# Altium PCB Power Distribution.PcbDoc (continued)
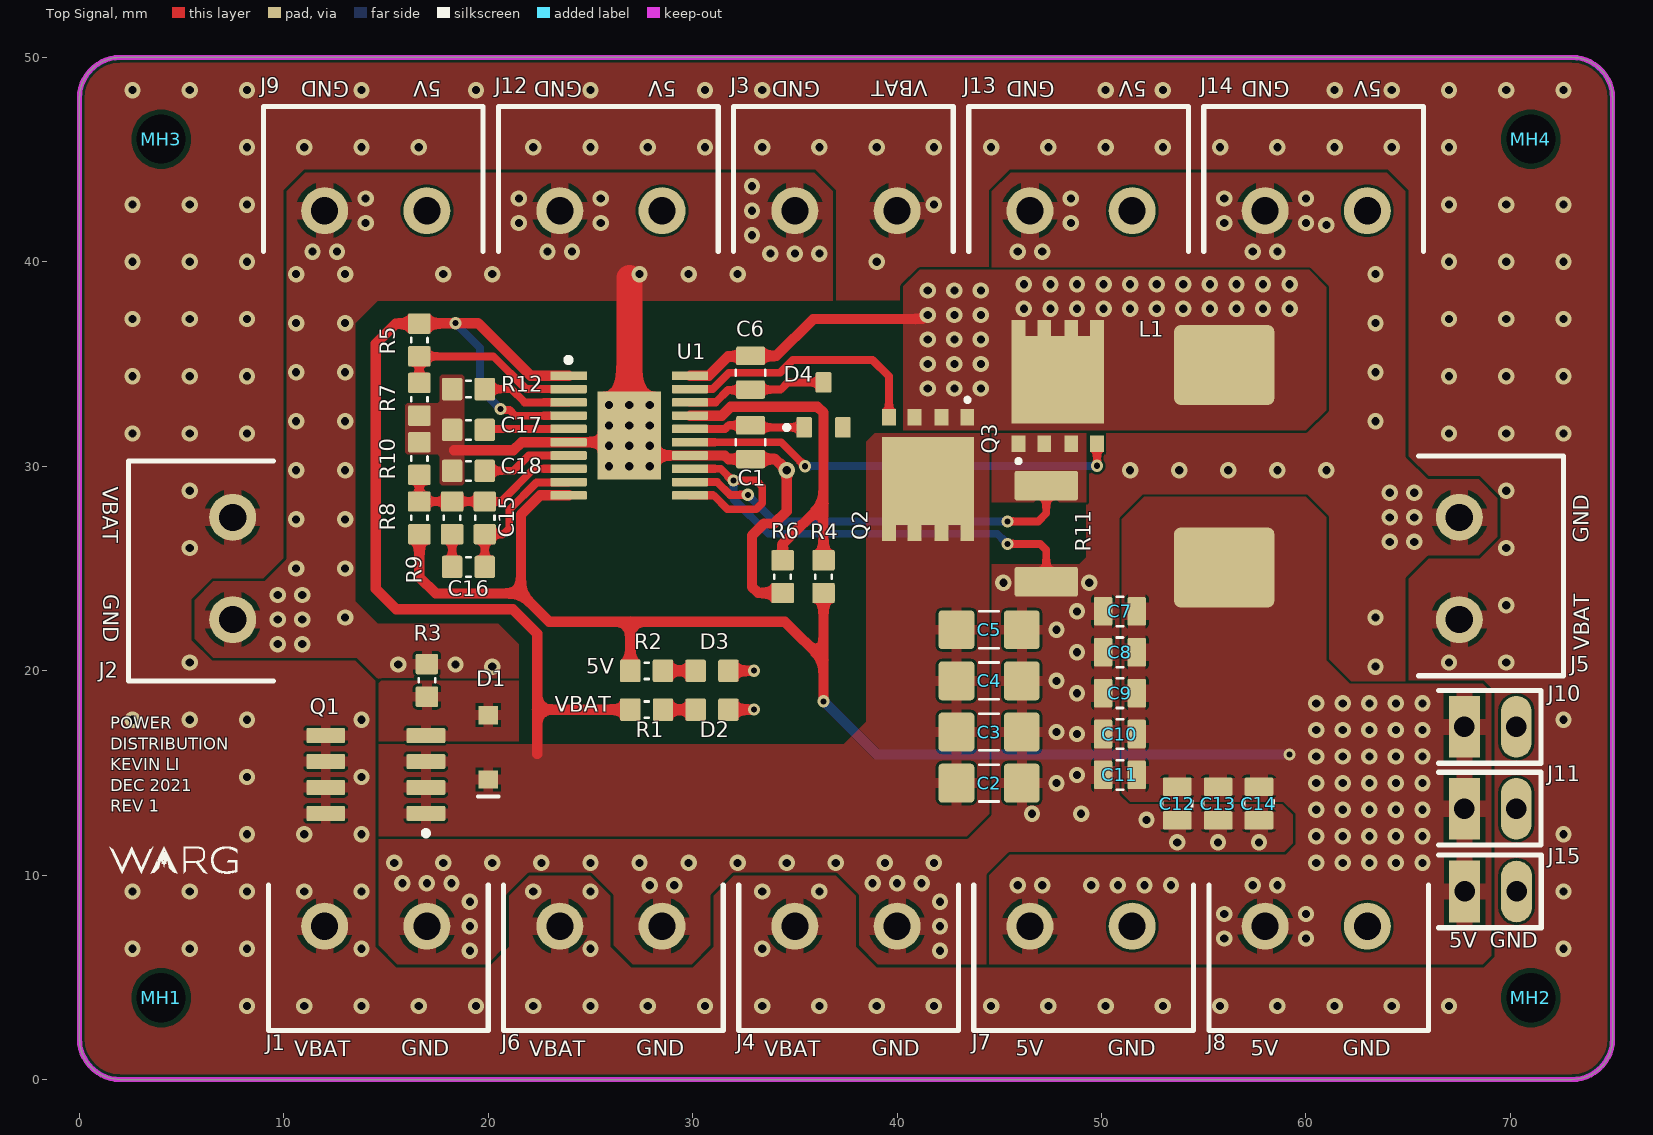
[diagram p0: Top Signal view]
## Components (designator, comment, footprint, x,y, rotation, side; value= is the part's Value field where it differs from the comment)
C1 "CAP_1uF_50V_0805" CAP0805 32.83,31.175 r90 top locked value=1uF
C2 "CAP_10uF_50V_1206" CAP1206 44.5,14.5 r180 top locked value=10uF
C3 "CAP_10uF_50V_1206" CAP1206 44.5,17 r180 top locked value=10uF
C4 "CAP_10uF_50V_1206" CAP1206 44.5,19.5 r180 top locked value=10uF
C5 "CAP_10uF_50V_1206" CAP1206 44.5,22 r180 top locked value=10uF
C6 "CAP_1uF_50V_0805" CAP0805 32.83,34.575 r270 top locked value=1uF
C7 "CAP_22uF_16V_0805" CAP0805 50.9,22.9 r0 top locked value=22uF
C8 "CAP_22uF_16V_0805" CAP0805 50.9,20.9 r0 top locked value=22uF
C9 "CAP_22uF_16V_0805" CAP0805 50.9,18.9 r0 top locked value=22uF
C10 "CAP_22uF_16V_0805" CAP0805 50.9,16.9 r0 top locked value=22uF
C11 "CAP_22uF_16V_0805" CAP0805 50.9,14.9 r0 top locked value=22uF
C12 "CAP_22uF_16V_0805" CAP0805 53.7,13.5 r90 top locked value=22uF
C13 "CAP_22uF_16V_0805" CAP0805 55.7,13.5 r90 top locked value=22uF
C14 "CAP_22uF_16V_0805" CAP0805 57.7,13.5 r90 top locked value=22uF
C15 "CAP_10pF_50V_0603" CAP0603 19.83,27.475 r90 top locked value=10pF
C16 "CAP_470pF_100V_0603" CAP0603 19.03,25.075 r180 top locked value=470pF
C17 "CAP_330pF_100V_0603" CAP0603 19.03,31.775 r0 top locked value=330pF
C18 "CAP_10nF_50V_0603" CAP0603 19.03,29.775 r0 top locked value=10nF
D1 "DIO_ZENER_6.8V" DIO-SOD123 20,16.25 r270 top locked
D2 "LED_GREEN_2.1V_0603" LED0603 30.947,18.092 r0 top locked
D3 "LED_GREEN_2.1V_0603" LED0603 30.947,19.992 r0 top locked
D4 "DIO_200V_200mA" SOT23-3 35.45,31.9 r90 top
J1 "CON_2POS_SCREW_TERM" 1935161 14.5,7.5 r0 top locked
J2 "CON_2POS_SCREW_TERM" 1935161 7.5,25 r270 top locked
J3 "CON_2POS_SCREW_TERM" 1935161 37.5,42.5 r180 top locked
J4 "CON_2POS_SCREW_TERM" 1935161 37.5,7.5 r0 top locked
J5 "CON_2POS_SCREW_TERM" 1935161 67.5,25 r90 top locked
J6 "CON_2POS_SCREW_TERM" 1935161 26,7.5 r0 top locked
J7 "CON_2POS_SCREW_TERM" 1935161 49,7.5 r0 top locked
J8 "CON_2POS_SCREW_TERM" 1935161 60.5,7.5 r0 top locked
J9 "CON_2POS_SCREW_TERM" 1935161 14.5,42.5 r180 top locked
J10 "CON_3X1_2.54MM_MALE_TH_HDR" 0022102021 67.75,17.25 r0 top locked
J11 "CON_3X1_2.54MM_MALE_TH_HDR" 0022102021 67.75,13.25 r0 top locked
J12 "CON_2POS_SCREW_TERM" 1935161 26,42.5 r180 top locked
J13 "CON_2POS_SCREW_TERM" 1935161 49,42.5 r180 top locked
J14 "CON_2POS_SCREW_TERM" 1935161 60.5,42.5 r180 top locked
J15 "CON_3X1_2.54MM_MALE_TH_HDR" 0022102021 67.76,9.2 r0 top
L1 "IND_3.3uH_14.7A" ETQ-P5M3R3YGC 56,30 r270 top locked value=3.3uH
MH1 "Mounting Hole Non-plated Diameter 2.40mm" MHNP_2.40MM 4,4 r0 top
MH2 "Mounting Hole Non-plated Diameter 2.40mm" MHNP_2.40MM 71,4 r0 top
MH3 "Mounting Hole Non-plated Diameter 2.40mm" MHNP_2.40MM 4,46 r0 top
MH4 "Mounting Hole Non-plated Diameter 2.40mm" MHNP_2.40MM 71,46 r0 top
Q1 "PMOS_38V_14A" 8SOIC 14.5,14.9 r180 top locked
Q2 "NMOS_60V_13A" CSD19531Q5A 41.517,29.574 r270 top
Q3 "NMOS_60V_13A" CSD19531Q5A 47.86,33.926 r90 top
R1 "RES_51.1kΩ_0603_1%" RES0603 27.747,18.092 r180 top locked
R2 "RES_5.23kΩ_0603_1%" RES0603 27.747,19.992 r180 top locked
R3 "RES_51.1kΩ_0603_1%" RES0603 17,19.525 r270 top locked
R4 "RES_0Ω_0603" RES0603 36.4,24.6 r270 top locked value=0Ω
R5 "RES_51.1kΩ_0603_1%" RES0603 16.63,36.175 r90 top locked
R6 "RES_0Ω_0603" RES0603 34.4,24.6 r90 top locked value=0Ω
R7 "RES_12.1kΩ_0603_1%" RES0603 16.63,33.275 r90 top locked
R8 "RES_38.3kΩ_0603_1%" RES0603 16.63,27.475 r270 top locked
R9 "RES_66.5kΩ_0603_1%" RES0603 18.23,27.475 r90 top locked value=66.5kΩ
R10 "RES_12.1kΩ_0603_1%" RES0603 16.63,30.375 r270 top locked
R11 "RES_5mΩ_2010_1%" RES2010 47.3,26.7 r90 top locked
R12 "RES_5.23kΩ_0603_1%" RES0603 19.03,33.775 r0 top locked
U1 "LM25116MH/NOPB" LM25116MH/NOPB 23.93,34.425 r0 top locked

## Footprints (in the part's own frame and the unit in brackets; to place one, negate y for a bottom-side part, rotate by r counter-clockwise, add the part's x,y. Pads: shape width x height; smd on the part's side, far side on the other; paste and mask are expansions set on the pad)
8SOIC [mm] "MOSFET P-CH 30V 14A SO-8"
  rrect15% 1.9x0.72 smd: 1(-2.45,1.884) 1(-2.45,-0.656) 1(-2.45,0.614) 2(-2.45,-1.926) 3(2.45,1.884) 3(2.45,-0.656) 3(2.45,0.614) 3(2.45,-1.926)
  silkscreen extent -2.58,2.73 -2.33,2.97, body extent -3,-2.45 3,2.45, height 1.75
1935161 [mm] "TERM BLK 2POS SIDE ENTRY 5MM PCB"
  round 2.3 hole 1.325: 1(-2.5,0) 2(2.5,0)
  silkscreen extent -5.25,-5.1 5.5,2, body extent -5.07,-4.94 5.33,4.06, height 11.41
0022102021 [mm] "2 Pin Male Header"
  rect 1.508x3.016 hole 1: 1(0,0)
  oval 1.508x3.016 hole 1: 2(2.54,0)
  silkscreen extent -1.27,-1.78 3.75,1.78, body extent -1.14,-1.17 3.68,1.17, height 10.5
CAP0603 [mm] "Ceramic Capacitor 0603"
  rrect20% 1x1.1 smd: 1(-0.8,0) 2(0.8,0)
  silkscreen extent -0.1,-0.48 0.1,0.48, body extent -0.87,-0.48 0.88,0.48, height 0.87
CAP0805 [mm] "Ceramic Capacitor 0805"
  rrect15% 0.9x1.4 smd: 1(-0.825,0) 2(0.825,0)
  silkscreen extent -0.15,-0.72 0.15,0.72, body extent -1.1,-0.73 1.1,0.73, height 1.39
CAP1206 [mm] "Ceramic Capacitor 1206"
  rrect20% 1.75x1.9 smd: 1(-1.6,0) 2(1.6,0)
  silkscreen extent -0.48,-0.9 0.48,0.9, body extent -1.7,-0.9 1.7,0.9, height 0.88
CSD19531Q5A [mm]
  rect 4.295x4.51 smd paste-3: 1(0.301,0)
  rect 0.8x0.675 smd paste-1: 1(2.825,1.917) 1(2.825,-0.66) 1(2.825,0.66) 1(2.825,-1.917) 2(-2.826,-1.917) 3(-2.826,1.917) 3(-2.826,-0.66) 3(-2.826,0.66)
  silkscreen extent -3.72,1.88 -3.63,1.97, body extent -3.13,-2.45 3.13,2.45, height 1.16
DIO-SOD123 [mm]
  rect 0.9x0.95 smd: 1(-1.575,0) 2(1.575,0)
  silkscreen extent 2.4,-0.5 2.4,0.5, body extent -1.92,-0.84 1.93,0.86, height 1.46
ETQ-P5M3R3YGC [mm] "Ceramic Capacitor 1206"
  rrect15% 3.9x4.9 smd: 1(-4.95,0) 2(4.95,0)
  body extent -5.4,-5 5.4,5, height 5.01
LED0603 [mm] "Generic LED in 0603 package"
  rrect20% 1x1.1 smd: 1(-0.8,0) 2(0.8,0)
  body extent -0.81,-0.4 0.81,0.4, height 0.6
LM25116MH/NOPB [mm]
  rect 1.78x0.42 smd mask+0.08: 1(0,0)
  rrect25% 1.78x0.42 smd mask+0.08: 2(0,-0.65) 3(0,-1.3) 4(0,-1.95) 5(0,-2.6) 6(0,-3.25) 7(0,-3.9) 8(0,-4.55) 9(0,-5.2) 10(0,-5.85) 11(5.94,-5.85) 12(5.94,-5.2) 13(5.94,-4.55) 14(5.94,-3.9) 15(5.94,-3.25) 16(5.94,-2.6) 17(5.94,-1.95) 18(5.94,-1.3) 19(5.94,-0.65) 20(5.94,0)
  rect 3.1x4.3 smd mask+0.102: 21(2.97,-2.925)
  silkscreen extent -0.1,0.68 0.09,0.87, body extent -0.24,-6.18 6.18,0.32, height 1.01
MHNP_2.40MM [mm] "Mounting Hole Non-plated Diameter 2.40mm"
  round 0 hole 2.4: 1(0,0)
RES0603 [mm] "SMT Resistor 0603"
  rrect15% 1x1.1 smd: 1(-0.8,0) 2(0.8,0)
  silkscreen extent -0.1,-0.4 0.1,0.4, body extent -0.8,-0.4 0.8,0.4, height 0.46
RES2010 [mm]
  rrect15% 1.45x3.1 smd: 1(-2.35,0) 2(2.35,0)
  body extent -2.54,-1.27 2.54,1.27, height 0.9
SOT23-3 [mm] "SOT23, 3-Leads, Body 2.90x2.30mm, Pitch 0.95mm, IPC Medium Density"
  rrect15% 1x0.764 smd: 1(0,0) 2(0,-1.9) 3(2.2,-0.95)
  silkscreen extent -0.1,0.75 0.1,0.95, body extent -0.15,-2.45 2.45,0.55, height 1.1

## Part data
C1 C6: library part CAP_1uF_50V_0805_MURATA, "CAP CER 1UF 50V X7R ±10% 0805", Manufacturer 1="Murata Electronics", Manufacturer Part Number 1=GCJ21BR71H105KA01L, Package=0805, Supplier Part Number 1=490-10667-1-ND, Temperature Coefficient=X7R, Tolerance=±10%, Voltage=50V, Mounting Type="Surface Mount", Supplier 1=Digi-Key
C2 C3 C4 C5: library part CAP_10uF_50V_1206_MURATA, "CAP CER 10UF 50V X5R ±20% 1206", Manufacturer 1="Murata Electronics", Manufacturer Part Number 1=GRT31CR61H106ME01L, Package=1206, Supplier Part Number 1=490-12457-1-ND, Temperature Coefficient=X5R, Tolerance=±20%, Voltage=50V, Mounting Type="Surface Mount", Supplier 1=Digi-Key
C7 C8 C9 C10 C11 C12 C13 C14: library part CAP_22uF_16V_0805_MURATA, "CAP CER 22UF 16V X5R ±20% 0805", Manufacturer 1="Murata Electronics", Manufacturer Part Number 1=GRT21BR61C226ME13L, Package=0805, Supplier Part Number 1=490-12383-1-ND, Temperature Coefficient=X5R, Tolerance=±20%, Voltage=16V, Mounting Type="Surface Mount", Supplier 1=Digi-Key
C15: library part CAP_10pF_50V_0603_KEMET, "CAP CER 10PF 50V C0G/NP0 ±10% 0603", Manufacturer 1=KEMET, Manufacturer Part Number 1=C0603C100K5GAC7867, Package=0603, Supplier Part Number 1=399-C0603C100K5GAC7867CT-ND, Temperature Coefficient=C0G/NP0, Tolerance=±10%, Voltage=50V, Mounting Type="Surface Mount", Supplier 1=Digi-Key
C16: library part CAP_470pF_100V_0603_MURATA, "CAP CER 470PF 100V C0G/NP0 ±5% 0603", Manufacturer 1="Murata Electronics", Manufacturer Part Number 1=GCM1885C2A471JA16D, Package=0603, Supplier Part Number 1=490-4949-1-ND, Temperature Coefficient=C0G/NP0, Tolerance=±5%, Voltage Rating=100V, Mounting Type="Surface Mount", Supplier 1=Digi-Key
C17: library part CAP_330pF_100V_0603_MURATA, "CAP CER 330PF 100V C0G, NP0 ±5% 0603", Manufacturer 1="Murata Electronics", Manufacturer Part Number 1=GCM1885C2A331JA16D, Package=0603, Supplier Part Number 1=490-4948-1-ND, Temperature Coefficient="C0G, NP0", Tolerance=±5%, Voltage Rating=100V, Mounting Type="Surface Mount", Supplier 1=Digi-Key
C18: library part CAP_10nF_50V_0603_KEMET, "CAP CER 10NF 50V X7R ±5% 0603", Manufacturer 1=KEMET, Manufacturer Part Number 1=C0603C103J5RAC7867, Package=0603, Supplier Part Number 1=339-C0603C103J5RAC7867CT-ND, Temperature Coefficient=X7R, Tolerance=±5%, Voltage Rating=50V, Mounting Type="Surface Mount", Supplier 1=DigiKey
D1: library part DIO_ZENER_15V, "DIODE ZENER 15V 500MW SOD123", Forward Voltage="0.9V @ 10mA", Manufacturer 1="Diodes Incorporated", Manufacturer Part Number 1=BZT52C15-13-F, Maximum Power=500mW, Package=SOD-123, Reverse Leakage Current="100nA @ 10.5V", Supplier Part Number 1=BZT52C15-13-FDICT-ND, Zener Voltage=15V, Mounting Type="Surface Mount", Supplier 1=Digi-Key
D2 D3: "LED GREEN 2.1V 0603", Color=Green, Forward Voltage=2.1V, Manufacturer 1=SunLED, Manufacturer Part Number 1=XZVG53W-8, Package=0603, Supplier Part Number 1=1497-1215-1-ND, Mounting Type="Surface Mount", Supplier 1=Digi-Key
D4: "DIODE GEN PURP 200V 200MA SOT23", Average Rectified Current=200mA, Continuous Reverse Voltage (Max)=200V, Forward Voltage=1.25V, Manufacturer 1="Central Semiconductor Corp", Manufacturer Part Number 1="CMPD2003 TR PBFREE", Package=SOT-23, Reverse Leakage Current="100nA @ 200V", Supplier Part Number 1=1514-CMPD2003TRPBFREECT-ND, Mounting Type="Surface Mount", Reverse Recovery Time=50ns, Supplier 1=Digi-Key
J1 J2 J3 J4 J5 J6 J7 J8 J9 J12 J13 J14: library part CON_2X1_5MM_SCREWTERM_RA_TH, "CONN SCREW TERMINAL 2X1 5MM RA TH", Manufacturer 1="Phoenix Contact", Manufacturer Part Number 1=1935161, Supplier Part Number 1=277-1667-ND, Mounting Type="Through Hole", Pitch=5mm, Supplier 1=Digi-Key
J10 J11 J15: library part CON_2X1_2.54MM_MALE_VERT_TH_HDR, "CONN HEADER 3X1 2.54MM MALE VERT TH", Manufacturer 1=Molex, Manufacturer Part Number 1=0022102021, Supplier Part Number 1=WM2722-ND, Connector Type=Header, Contact Type="Male Pin", Mounting Type="Through Hole", Number of Positions=2, Number of Rows=1, Pitch=2.54mm, Supplier 1=Digi-Key
L1: "IND 3.3UH 14.7A 7.81M OHM", Current Rating=14.7A, DC Resistance=7.81mΩ, Manufacturer 1="Panasonic Electronic Components", Manufacturer Part Number 1=ETQ-P5M3R3YGC, Saturation Current=23.4A, Supplier Part Number 1=10-ETQ-P5M3R3YGCCT-ND, Mounting Type="Surface Mount", Supplier 1=Digi-Key
MH1 MH2 MH3 MH4: library part MHNP_2.4MM, Diameter=2.40mm
Q1: "MOSFET P-CH 38V 14A 8SOIC", Continuous Drain Current (ID)=-14A, Drain to Source Resistance (Rds(on)) Max.=13.5mΩ, Drain to Source Voltage (Vdss) Max.=-38V, Gate Threshold Voltage (Vgs(th))=-3.5V, Gate to Source Voltage (Vgs)=±25V, Manufacturer 1="Alpha & Omega Semiconductor Inc.", Manufacturer Part Number 1=AO4425, Package=8-SOIC, Supplier Part Number 1=785-1026-1-ND, Gate Charge Total=63nC, Supplier 1=Digi-Key
Q2 Q3: "MOSFET N-CHANNEL 60V 50A 8VSON", Continuous Drain Current (Id) TA=25°C=13A, Drain to Source Resistance On (Rds(on)) Max.=12.4mΩ, Drain to Source Voltage (Vdss) Max.=60V, Gate to Source Voltage (Vgs) Max. @ Vgs = 4.5V=±20V, Gate to Source Voltage Threshold (Vgs(th)) Max.=2.3V, Manufacturer 1="Texas Instruments", Manufacturer Part Number 1=CSD18534Q5AT, Package=8-PowerTDFN, Supplier Part Number 1=296-50719-1-ND, FET Type=N-Channel, Gate Charge Total (Vgs=4.5V)=11.1nC, Mounting Type="Surface Mount", Supplier 1=Digi-Key
R1 R3 R5: "RES 51.1K OHM ±1% 1/10W 0603", Manufacturer 1=YAGEO, Manufacturer Part Number 1=RC0603FR-0751K1L, Package=0603, Power Rating=1/10W, Resistance=51.1kΩ, Supplier Part Number 1=311-51.1KHRCT-ND, Tolerance=±1%, Mounting Type="Surface Mount", Supplier 1=Digi-Key
R2: "RES 5.23K OHM ±1% 1/10W 0603", Manufacturer 1=Yageo, Manufacturer Part Number 1=RC0603FR-075K23L, Package=0603, Power Rating=1/10W, Resistance=5.23kΩ, Supplier Part Number 1=311-5.23KHRCT-ND, Tolerance=±1%, Mounting Type="Surface Mount", Supplier 1=Digi-Key
R4 R6: "RES SMD 0 OHM JUMPER 1/10W 0603", Manufacturer 1="Vishay Dale", Manufacturer Part Number 1=CRCW06030000Z0EAC, Package=0603, Power Rating=1/10W, Supplier Part Number 1=541-4012-1-ND, Mounting Type="Surface Mount", Supplier 1=Digi-Key
R7 R10: "RES 12.1K OHM ±1% 1/10W 0603", Manufacturer 1=Yageo, Manufacturer Part Number 1=RC0603FR-0712K1L, Package=0603, Power Rating=1/10W, Resistance=12.1kΩ, Supplier Part Number 1=311-12.1KHRCT-ND, Tolerance=±1%, Mounting Type="Surface Mount", Supplier 1=Digi-Key
R8: "RES 38.3K OHM ±1% 1/10W 0603", Manufacturer 1="Stackpole Electronics Inc", Manufacturer Part Number 1=RMCF0603FT38K3, Package=0603, Power Rating=1/10W, Resistance=38.3kΩ, Supplier Part Number 1=RMCF0603FT38K3CT-ND, Tolerance=±1%, Mounting Type="Surface Mount", Supplier 1=Digi-Key
R9: "RES 66.5K OHM 1% 1/10W 0603", Manufacturer 1="Stackpole Electronics Inc", Manufacturer Part Number 1=RMCF0603FT66K5, Package=0603, Power Rating=1/10W, Supplier Part Number 1=RMCF0603FT66K5CT-ND, Tolerance=±1%, Mounting Type="Surface Mount", Supplier 1=Digi-Key
R11: "RES 0.005 OHM ±1% 1.5W 50ppm/°C 2010", Manufacturer 1="Stackpole Electronics Inc", Manufacturer Part Number 1=CSNL2010FT5L00, Package=2010, Power Rating=1.5W, Resistance=5mΩ, Supplier Part Number 1=CSNL2010FT5L00CT-ND, Temperature Coefficient=±50ppm/°C, Tolerance=±1%, Mounting Type="Surface Mount", Supplier 1=Digi-Key
R12: library part RES_5.23kΩ_0603_1%_1, "RES 5.23K OHM ±1% 1/10W 0603", Manufacturer 1=Yageo, Manufacturer Part Number 1=RC0603FR-075K23L, Package=0603, Power Rating=1/10W, Resistance=5.23kΩ, Supplier Part Number 1=311-5.23KHRCT-ND, Tolerance=±1%, Mounting Type="Surface Mount", Supplier 1=Digi-Key
U1: library part BUCK_5V_10A, "IC REG BUCK 10A 20-HTSSOP", Manufacturer 1="Texas Instruments", Package=20-PowerTSSOP, Supplier Part Number 1=LM25116MH/NOPB-ND, Manufacturer Part Number 1=LM25116MH/NOPB, Mounting Type="Surface Mount", Supplier 1=Digi-Key

## Via types
v1: diameter 0.8, hole 0.4, Top Signal to Bottom Signal, tented both sides, 339 vias
v2: diameter 0.6, hole 0.3, Top Signal to Bottom Signal, tented both sides, 12 vias

## Nets (pads, with @x,y where several pads share a name; then routed paths per layer and width w, separated by ;. In a path a pad name is that pad's centre, name@x,y a point inside that pad or via, vN(x,y) a via of type N, cw(c..) or ccw(c..) an arc to the next point about the centre after c; other vN are vias at no path point)
5V: C7.2 C8.2 C9.2 C10.2 C11.2 C12.2 C13.2 C14.2 J7.1 J8.1 J9.1 J10.1 J11.1 J12.1 J13.1 J14.1 J15.1 L1.2 R2.2 R4.2 R8.2 U1.10 | length 61.7
  Top Signal w0.508: R8.2 16.63,24.57 17.424,23.776 21.6,23.776 ; U1.10 22.538,28.575 21.6,27.637 21.6,23.776 ; R2.2 26.947,22.4 ; v2(36.4,18.5) 36.4,20.5 ; R4.2@36.4,23.775 36.4,20.5 ; 21.6,23.776 22.976,22.4 26.947,22.4 ; 26.947,22.4 34.5,22.4 36.4,20.5
  Bottom Signal w0.508: v2(36.4,18.5) 39,15.9 v2(59.2,15.9)
  other v1: 56,6.9 60,6.9 56,8.1 60,8.1 45.9,9.5 47.1,9.5 49.5,9.5 50.8,9.5 52.1,9.5 53.4,9.5 57.4,9.5 58.6,9.5 60.5,10.6 61.8,10.6 63.1,10.6 64.4,10.6 65.7,10.6 60.5,11.9 61.8,11.9 63.1,11.9 64.4,11.9 65.7,11.9 60.5,13.2 61.8,13.2 63.1,13.2 64.4,13.2 65.7,13.2 60.5,14.5 61.8,14.5 63.1,14.5 64.4,14.5 65.7,14.5 60.5,15.8 61.8,15.8 63.1,15.8 64.4,15.8 65.7,15.8 60.5,17.1 61.8,17.1 63.1,17.1 64.4,17.1 65.7,17.1 60.5,18.4 61.8,18.4 63.1,18.4 64.4,18.4 65.7,18.4
BAT: J1.1 J2.1 J3.1 J4.1 J5.1 J6.1 Q1.3
  other v1: 8.2,3.6 11,3.6 13.8,3.6 16.6,3.6 19.4,3.6 22.2,3.6 25,3.6 27.8,3.6 30.6,3.6 33.4,3.6 36.2,3.6 39,3.6 41.8,3.6 44.6,3.6 47.4,3.6 50.2,3.6 53,3.6 55.8,3.6 58.6,3.6 61.4,3.6 64.2,3.6 67,3.6 2.6,6.4 5.4,6.4 8.2,6.4 13.8,6.4 25,6.4 33.4,6.4 72.6,6.4 2.6,9.2 5.4,9.2 8.2,9.2 11,9.2 13.8,9.2 22.2,9.2 25,9.2 33.4,9.2 36.2,9.2 72.6,9.2 8.2,12 11,12 13.8,12 72.6,12 8.2,14.8 13.8,14.8 2.6,17.6 5.4,17.6 8.2,17.6 13.8,17.6 72.6,17.6 5.4,20.4 67,20.4 69.8,20.4 69.8,23.2 5.4,26 69.8,26 5.4,28.8 69.8,28.8 2.6,31.6 5.4,31.6 8.2,31.6 67,31.6 69.8,31.6 72.6,31.6 2.6,34.4 5.4,34.4 8.2,34.4 67,34.4 69.8,34.4 72.6,34.4 2.6,37.2 5.4,37.2 8.2,37.2 67,37.2 69.8,37.2 72.6,37.2 2.6,40 5.4,40 8.2,40 39,40 67,40 69.8,40 72.6,40 2.6,42.8 5.4,42.8 8.2,42.8 41.8,42.8 67,42.8 69.8,42.8 72.6,42.8 8.2,45.6 11,45.6 13.8,45.6 16.6,45.6 22.2,45.6 25,45.6 27.8,45.6 30.6,45.6 33.4,45.6 36.2,45.6 39,45.6 41.8,45.6 44.6,45.6 47.4,45.6 50.2,45.6 53,45.6 55.8,45.6 58.6,45.6 61.4,45.6 64.2,45.6 67,45.6 2.6,48.4 5.4,48.4 8.2,48.4 13.8,48.4 19.4,48.4 25,48.4 30.6,48.4 33.4,48.4 50.2,48.4 53,48.4 61.4,48.4 64.2,48.4 67,48.4 69.8,48.4 72.6,48.4
COMP: C15.1 C16.1 U1.9 | length 7.3
  Top Signal w0.381: C16.1 C15.1 20.73,26.675 21.028,26.973 21.028,27.873 22.361,29.205 23.911,29.205 U1.9
CS: Q3.3 R11.2 U1.12 | length 19.7
  Top Signal w0.381: U1.12 31.202,29.225 31.827,28.6 v2(32.7,28.6) ; v2(45.4,27.3) 46.9,27.3 47.3,27.7 R11.2
  Bottom Signal w0.381: v2(32.7,28.6) 34,27.3 v2(45.4,27.3)
FB: C15.2 R8.1 R9.2 R10.2 U1.8 | length 9.1
  Top Signal w0.381: R8.1 R10.2 ; R8.1@16.83,28.275 R9.2 C15.2 20.63,28.275 22.23,29.875 U1.8
GND: C1.1 C2.1 C3.1 C4.1 C5.1 C7.1 C8.1 C9.1 C10.1 C11.1 C12.1 C13.1 C14.1 C17.1 C18.1 D2.2 D3.2 J1.2 J2.2 J3.2 J4.2 J5.2 J6.2 J7.2 J8.2 J9.2 J10.2 J11.2 J12.2 J13.2 J14.2 J15.2 R3.1 R6.1 R7.1 R10.1 R11.1 R12.1 U1.6 U1.11 U1.13 U1.14 U1.21 | length 64
  Top Signal w0.381: U1.11 31.025,28.575 31.7,27.9 33.1,27.9 33.4,28.2 33.4,29 33.1,29.3 v2(32,29.3) 31.941,29.3 31.366,29.875 U1.13 ; v2(45.4,26.2) 47,26.2 47.3,25.9 R11.1
  Top Signal w0.508: 18.33,30.775 21.23,30.775 21.63,31.175 U1.6 U1.21@26.175,31.175 ; U1.21@25.95,30.95 U1.21@26.175,31.175 ; v1(27.9,31) U1.21@27.4,31.5 ; U1.21@27.937,30.783 28.196,30.525 U1.14 31.58,30.525 31.755,30.35 C1.1 34.05,30.35 v1@34.5,29.9 ; U1.21@27.937,31 27.937,31.037 27.475,31.5 U1.21@27.4,31.5 ; D2.2 31.751,18.096 32.996,18.096 v2(33,18.1) ; D3.2 31.751,19.996 32.996,19.996 v2(33,20) ; R6.1 33.198,23.8 32.9,24.098 32.9,26.6 33.5,27.2 34,27.2 34.6,27.8 v1(34.6,29.8) ; U1.21@26.175,31.175 26.575,31.175 U1.21 U1.21@27.4,31.5
  Top Signal w1.27: U1.21 26.9,39.2
  Bottom Signal w0.381: v2(32,29.3) 32,28.4 33.7,26.7 44.9,26.7 v2(45.4,26.2)
  other v1: 19.1,6.3 42.1,6.3 19.1,7.5 42.1,7.5 19.1,8.7 42.1,8.7 27.9,9.5 29.1,9.5 15.8,9.6 17,9.6 18.2,9.6 38.8,9.6 40,9.6 41.2,9.6 15.4,10.6 17.8,10.6 20.2,10.6 22.6,10.6 25,10.6 27.4,10.6 29.8,10.6 32.2,10.6 34.6,10.6 37,10.6 39.4,10.6 41.8,10.6 53.7,11.6 55.7,11.6 57.7,11.6 52.2,12.7 46.6,13 49,13 47.8,14.5 48.8,14.9 48.8,16.9 47.8,17 48.8,18.9 47.8,19.5 20.2,20.2 63.4,20.2 15.6,20.3 18.4,20.3 48.8,20.9 9.7,21.3 10.9,21.3 47.8,22 9.7,22.5 10.9,22.5 13,22.6 63.4,22.6 48.8,22.9 9.7,23.7 10.9,23.7 45.2,24.3 49.4,24.3 10.6,25 13,25 64.1,26.3 65.3,26.3 10.6,27.4 13,27.4 64.1,27.5 65.3,27.5 64.1,28.7 65.3,28.7 10.6,29.8 13,29.8 51.4,29.8 53.8,29.8 56.2,29.8 58.6,29.8 61,29.8 25.9,30 26.9,30 27.9,30 25.9,31 26.9,31 25.9,32 26.9,32 27.9,32 10.6,32.2 13,32.2 63.4,32.2 25.9,33 26.9,33 27.9,33 10.6,34.6 13,34.6 63.4,34.6 10.6,37 13,37 63.4,37 10.6,39.4 13,39.4 17.8,39.4 20.2,39.4 27.4,39.4 29.8,39.4 32.2,39.4 63.4,39.4 33.8,40.4 35,40.4 36.2,40.4 11.4,40.5 12.6,40.5 22.9,40.5 24.1,40.5 45.9,40.5 47.1,40.5 57.4,40.5 58.6,40.5 32.9,41.3 61,41.8 14,41.9 21.5,41.9 25.5,41.9 48.5,41.9 56,41.9 60,41.9 32.9,42.5 14,43.1 21.5,43.1 25.5,43.1 48.5,43.1 56,43.1 60,43.1 32.9,43.7
HB: C6.2 D4.3 U1.18 | length 6.9
  Top Signal w0.381: U1.18 31.125,33.125 31.727,33.727 32.807,33.727 C6.2 34.3,33.75 34.65,34.1 D4.3
HO: Q2.2 U1.19 | length 12.7
  Top Signal w0.381: U1.19 29.875,33.78 30.98,33.78 31.775,34.575 34.275,34.575 34.9,35.2 38.8,35.2 39.6,34.4 Q2.2
LO: Q3.2 U1.15 | length 21.5
  Top Signal w0.381: U1.15 34.325,31.175 v2(35.5,30) ; v2(49.778,30.023) Q3.2
  Bottom Signal w0.381: v2(35.5,30) 35.511,30.011 49.766,30.011 v2(49.778,30.023)
NetC16_2: C16.2 R9.1 | length 1.6
  Top Signal w0.381: C16.2 R9.1
NetD1_1: D1.1 Q1.2 R3.2
NetD2_1: D2.1 R1.1 | length 1.6
  Top Signal w0.508: R1.1 D2.1
NetD3_1: D3.1 R2.1 | length 1.6
  Top Signal w0.508: R2.1 D3.1
RAMP: C17.2 U1.5 | length 3.6
  Top Signal w0.381: C17.2 C17.2@19.861,31.805 ; 20.353,31.825 U1.5
RT/SYNC: R12.2 U1.3 | length 4.3
  Top Signal w0.381: R12.2 21.13,33.775 21.78,33.125 ; 21.825,33.125 U1.3
SS: C18.2 U1.7 | length 4.4
  Top Signal w0.381: C18.2 21.23,29.775 21.98,30.525 U1.7
SW: C6.1 L1.1 Q2.3 Q3.1 U1.20 | length 12.9
  Top Signal w0.508: U1.20 30.78,34.425 31.73,35.375 32.805,35.375 C6.1 34.1,35.4 35.9,37.2 41.221,37.2 41.421,37.4 v1(41.5,37.4)
  other v1: 41.5,33.8 42.8,33.8 44.1,33.8 41.5,35 42.8,35 44.1,35 41.5,36.2 42.8,36.2 44.1,36.2 42.8,37.4 44.1,37.4 46.2,37.7 47.5,37.7 48.8,37.7 50.1,37.7 51.4,37.7 52.7,37.7 54,37.7 55.3,37.7 56.6,37.7 57.9,37.7 59.2,37.7 41.5,38.6 42.8,38.6 44.1,38.6 46.2,38.9 47.5,38.9 48.8,38.9 50.1,38.9 51.4,38.9 52.7,38.9 54,38.9 55.3,38.9 56.6,38.9 57.9,38.9 59.2,38.9
UVLO: R5.1 R7.2 U1.2 | length 9.3
  Top Signal w0.381: R7.2 R5.1 20.248,35.375 21.848,33.775 U1.2
VBAT: C2.2 C3.2 C4.2 C5.2 D1.2 Q1.1 Q2.1 R1.2 R5.2 U1.1 U1.4 | length 50.7
  Top Signal w0.381: v2(20.6,32.8) 20.642,32.758 21.042,32.758 21.325,32.475 U1.4
  Top Signal w0.508: 22.389,15.923 22.389,18.092 ; U1.1 22.075,34.425 19.5,37 v2(18.4,37) 18.387,36.987 16.643,36.987 R5.2 15.475,36.975 14.5,36 14.5,24 15.5,23 21.2,23 22.389,21.811 22.389,18.092 ; R1.2 22.389,18.092
  Bottom Signal w0.381: v2(18.4,37) 19.6,35.8 19.6,33.8 v2(20.6,32.8)
VCC: C1.2 D4.1 U1.16 | length 5.7
  Top Signal w0.381: U1.16 31.58,31.825 31.755,32 C1.2 32.93,31.9 D4.1
VCCX: R4.1 R6.2 U1.17 | length 17.6
  Top Signal w0.508: U1.17 31.422,32.475 31.866,32.919 36.102,32.919 36.4,32.621 36.4,28.2 ; R6.2@34.4,25.425 34.4,26.2 36.4,28.2 ; R4.1@36.4,25.425 36.4,28.2
pads on no net: D4.2 MH1.1 MH2.1 MH3.1 MH4.1

## Polygon pours and split planes (outlines as drawn)
GND on Top Signal "GND_TOP" (solid, remove dead copper, pour order 51): 0,0 75,0 75,50 0,50
CS on Top Signal "CS_TOP" (solid, remove dead copper, pour order 49): 44.5,31.75 49.25,31.75 49.25,28.25 44.5,28.25
5V on Top Signal "5V_TOP" (solid, pour order 47): 52.1,28.5 51,27.4 51,14 51.4,13.6 58.9,13.6 59.5,13 59.5,11.5 59,11 45.5,11 44.5,10 44.5,5.5 68.7,5.5 69.2,6 69.2,19 68.85,19.35 62.15,19.35 61,20.5 61,27.5 60,28.5
VBAT on Top Signal "VBAT_TOP" (solid, remove dead copper, pour order 36): 14.5,16.4 14.5,11.9 43.4,11.9 44.5,13 44.5,31.613 38.913,31.613 38.5,31.2 38.5,17.5 37.4,16.4
BAT on Top Signal "BAT_TOP" (solid, pour order 22): 0,10.75 14.5,10.75 14.5,6.5 15.5,5.5 20,5.5 21,6.5 21,9 22,10 25,10 26,9 26,6.5 27,5.5 30,5.5 31,6.5 31,9 32,10 37,10 38,9 38,6.5 39,5.5 68.7,5.5 69.2,6 69.2,19 68.7,19.5 65,19.5 65,24.5 66,25.5 68.5,25.5 69.5,26.5 69.5,28.5 68.5,29.5 66,29.5 65,30.5 65,43.5 64,44.5 45.5,44.5 44.5,43.5 44.5,39.6 41.1,39.6 40.3,38.8 40.3,38.1 37,38.1 37,43.5 36,44.5 11,44.5 10,43.5 10,25.5 9,24.5 6.5,24.5 5.5,23.5 5.5,21.5 6.5,20.5 13.5,20.5 14.5,19.5 14.5,10.75 0,10.75 0,0 75,0 75,50 0,50
NetD1_1 on Top Signal "NETD1_1_TOP" (solid, remove dead copper, pour order 48): 14.5,19.5 14.5,16.4 21.5,16.4 21.5,19.5
GND on Top Signal "AGND_TOP" (solid, remove dead copper, pour order 50): 18.73,34.475 18.83,34.375 18.83,29.175 18.73,29.075 17.73,29.075 17.63,29.175 17.63,30.475 17.53,30.575 16.03,30.575 15.93,30.675 15.93,32.975 16.03,33.075 17.53,33.075 17.63,33.175 17.63,34.375 17.73,34.475
SW on Top Signal "SW_TOP" (solid, remove dead copper, pour order 8): 40.3,31.75 60,31.75 61,32.75 61,38.75 60.15,39.6 41.1,39.6 40.3,38.8
5V on VCC "5V_VCC" (solid, pour order 57): 44,5.5 68.7,5.5 69.2,6 69.2,19 68.7,19.5 66,19.5 65,20.5 65,25.5 63.5,25.5 62.5,26.5 62.5,28.5 63.5,29.5 65,29.5 65,43.5 64,44.5 45.5,44.5 44.5,43.5 44.5,39.374 60.126,39.374 61,38.5 61,32 60,31 38,31 37,32 37,39.363 33.637,39.363 32,41 32,44.5 26.5,44.5 26.5,40.5 25.5,39.5 21.5,39.5 20.5,40.5 20.5,44.5 15,44.5 15,36.5 16,35.5 30,35.5 31,34.5 31,26.5 32,25.5 56,25.5 57,24.5 57,14.75 56,13.75 45,13.75 44,12.75
BAT on VCC "BAT_VCC" (solid, pour order 56): 0,13.5 14.5,13.5 14.5,6.5 15.5,5.5 20,5.5 21,6.5 21,9 22,10 25,10 26,9 26,6.5 27,5.5 30,5.5 31,6.5 31,9 32,10 37,10 38,9 38,6.5 39,5.5 68.7,5.5 69.2,6 69.2,19 68.7,19.5 66,19.5 65,20.5 65,25.5 68.5,25.5 69.5,26.5 69.5,28.5 68.5,29.5 65,29.5 65,43.5 64,44.5 45.5,44.5 44.5,43.5 44.5,39.374 37,39.374 37,43.5 36,44.5 11,44.5 10,43.5 10,25.5 9,24.5 6.5,24.5 5.5,23.5 5.5,21.5 6.5,20.5 13.5,20.5 14.5,19.5 14.5,13.5 0,13.5 0,0 75,0 75,50 0,50
GND on VCC "GND_VCC" (solid, pour order 60): 0,0 75,0 75,50 0,50
SW on VCC "SW_VCC" (solid, pour order 43): 37,39.374 37,32 38,31 60,31 61,32 61,38.5 60.126,39.374
GND on Bottom Signal "GND_BOT" (solid, pour order 61): 0,0 75,0 75,50 0,50
BAT on Bottom Signal "BAT_BOT" (solid, pour order 58): 0,11.2 14.5,11.2 14.5,6.5 15.5,5.5 20,5.5 21,6.5 21,9 22,10 25,10 26,9 26,6.5 27,5.5 30,5.5 31,6.5 31,9 32,10 37,10 38,9 38,6.5 39,5.5 64,5.5 65,6.5 65,24.5 66,25.5 68.5,25.5 69.5,26.5 69.5,28.5 68.5,29.5 66,29.5 65,30.5 65,43.5 64,44.5 45.5,44.5 44.5,43.5 44.5,40.5 43.5,39.5 38,39.5 37,40.5 37,43.5 36,44.5 11,44.5 10,43.5 10,25.5 9,24.5 6.5,24.5 5.5,23.5 5.5,21.5 6.5,20.5 13.5,20.5 14.5,19.5 14.5,11.2 0,11.2 0,0 75,0 75,50 0,50
GND on GND "GND_GND" (solid, pour order 25): 0,0 75,0 75,50 0,50

## Keep-outs
Keep-Out Layer:
  the board outline again, w0.254

## Other copper
Top Signal:
  pour cut-out: 20.5,22.3 21.5,21.3 21.5,16.4 37.4,16.4 38.5,17.5 38.5,31.2 38.913,31.613 40.3,31.613 40.3,38.1 14.6,38.1 13.5,37 13.5,33 15.905,33 15.93,32.975 16.03,33.075 17.53,33.075 17.63,33.175 17.63,34.375 17.73,34.475 18.73,34.475 18.83,34.375 18.83,29.175 18.73,29.075 17.73,29.075 17.63,29.175 17.63,30.475 17.53,30.575 16.03,30.575 15.93,30.675 15.93,32.975 15.905,33 13.5,33 13.5,23.4 14.6,22.3
  pour cut-out: 44.5,28.25 49.25,28.25 49.25,25.55 48.9,25.2 44.5,25.2
GND:
  pour cut-out: 45,28 46,28 46.5,27.5 46.5,26 46,25.5 45,25.5 44.5,26 44.5,27.5
  pour cut-out: 31.25,28.5 31.25,29.5 31.75,30 33.25,30 33.75,29.5 33.75,28.5 33.25,28 31.75,28
Bottom Signal:
  pour cut-out: 45,28 46,28 46.5,27.5 46.5,26 46,25.5 45,25.5 44.5,26 44.5,27.5
  pour cut-out: 31.25,28.5 31.25,29.5 31.75,30 33.25,30 33.75,29.5 33.75,28.5 33.25,28 31.75,28

## Silkscreen, mask and mechanical layers (free items; w line width, h text height)
Top Overlay:
  drawing of 12 lines, arcs and shapes, not listed
  text "GND" at 13.2,49.086 h1.27 r180
  text "5V" at 17.7,49.086 h1.27 r180
  text "GND" at 24.6,49.086 h1.27 r180
  text "5V" at 29.2,49.086 h1.27 r180
  text "GND" at 36.25,49.086 h1.27 r180
  text "VBAT" at 41.499,49.1 h1.27 r180
  text "GND" at 47.7,49.086 h1.27 r180
  text "5V" at 52.2,49.086 h1.27 r180
  text "GND" at 59.2,49.086 h1.27 r180
  text "5V" at 63.7,49.086 h1.27 r180
  text "VBAT" at 0.9,28.999 h1.27 r270
  text "GND" at 74.086,26.25 h1.27 r90
  text "GND" at 0.914,23.75 h1.27 r270
  text "VBAT" at 74.1,21.001 h1.27 r90
  text "5V" at 24.8,19.614 h1.27
  text "VBAT" at 23.251,17.75 h1.27
  text "POWER / DISTRIBUTION / KEVIN LI / DEC 2021 / REV 1" at 1.5,12.9 h1.02
  text "5V" at 67,6.214 h1.27
  text "GND" at 69,6.214 h1.27
  text "GND" at 15.75,0.914 h1.27
  text "GND" at 27.25,0.914 h1.27
  text "GND" at 38.75,0.914 h1.27
  text "5V" at 45.8,0.914 h1.27
  text "GND" at 50.3,0.914 h1.27
  text "5V" at 57.3,0.914 h1.27
  text "GND" at 61.8,0.914 h1.27
  text "VBAT" at 10.501,0.9 h1.27
  text "VBAT" at 22.001,0.9 h1.27
  text "VBAT" at 33.501,0.9 h1.27